# Altium PCB PCB.PcbDoc (part 1 of 2)
Units mm, origin at the board's own origin, x right, y up, seen from the top; angles counter-clockwise.
Board outline 152.4 x 101.6 mm, 2 copper layers (Top Layer, Bottom Layer); 155 components, 126 nets, 496 pads, 218 vias.
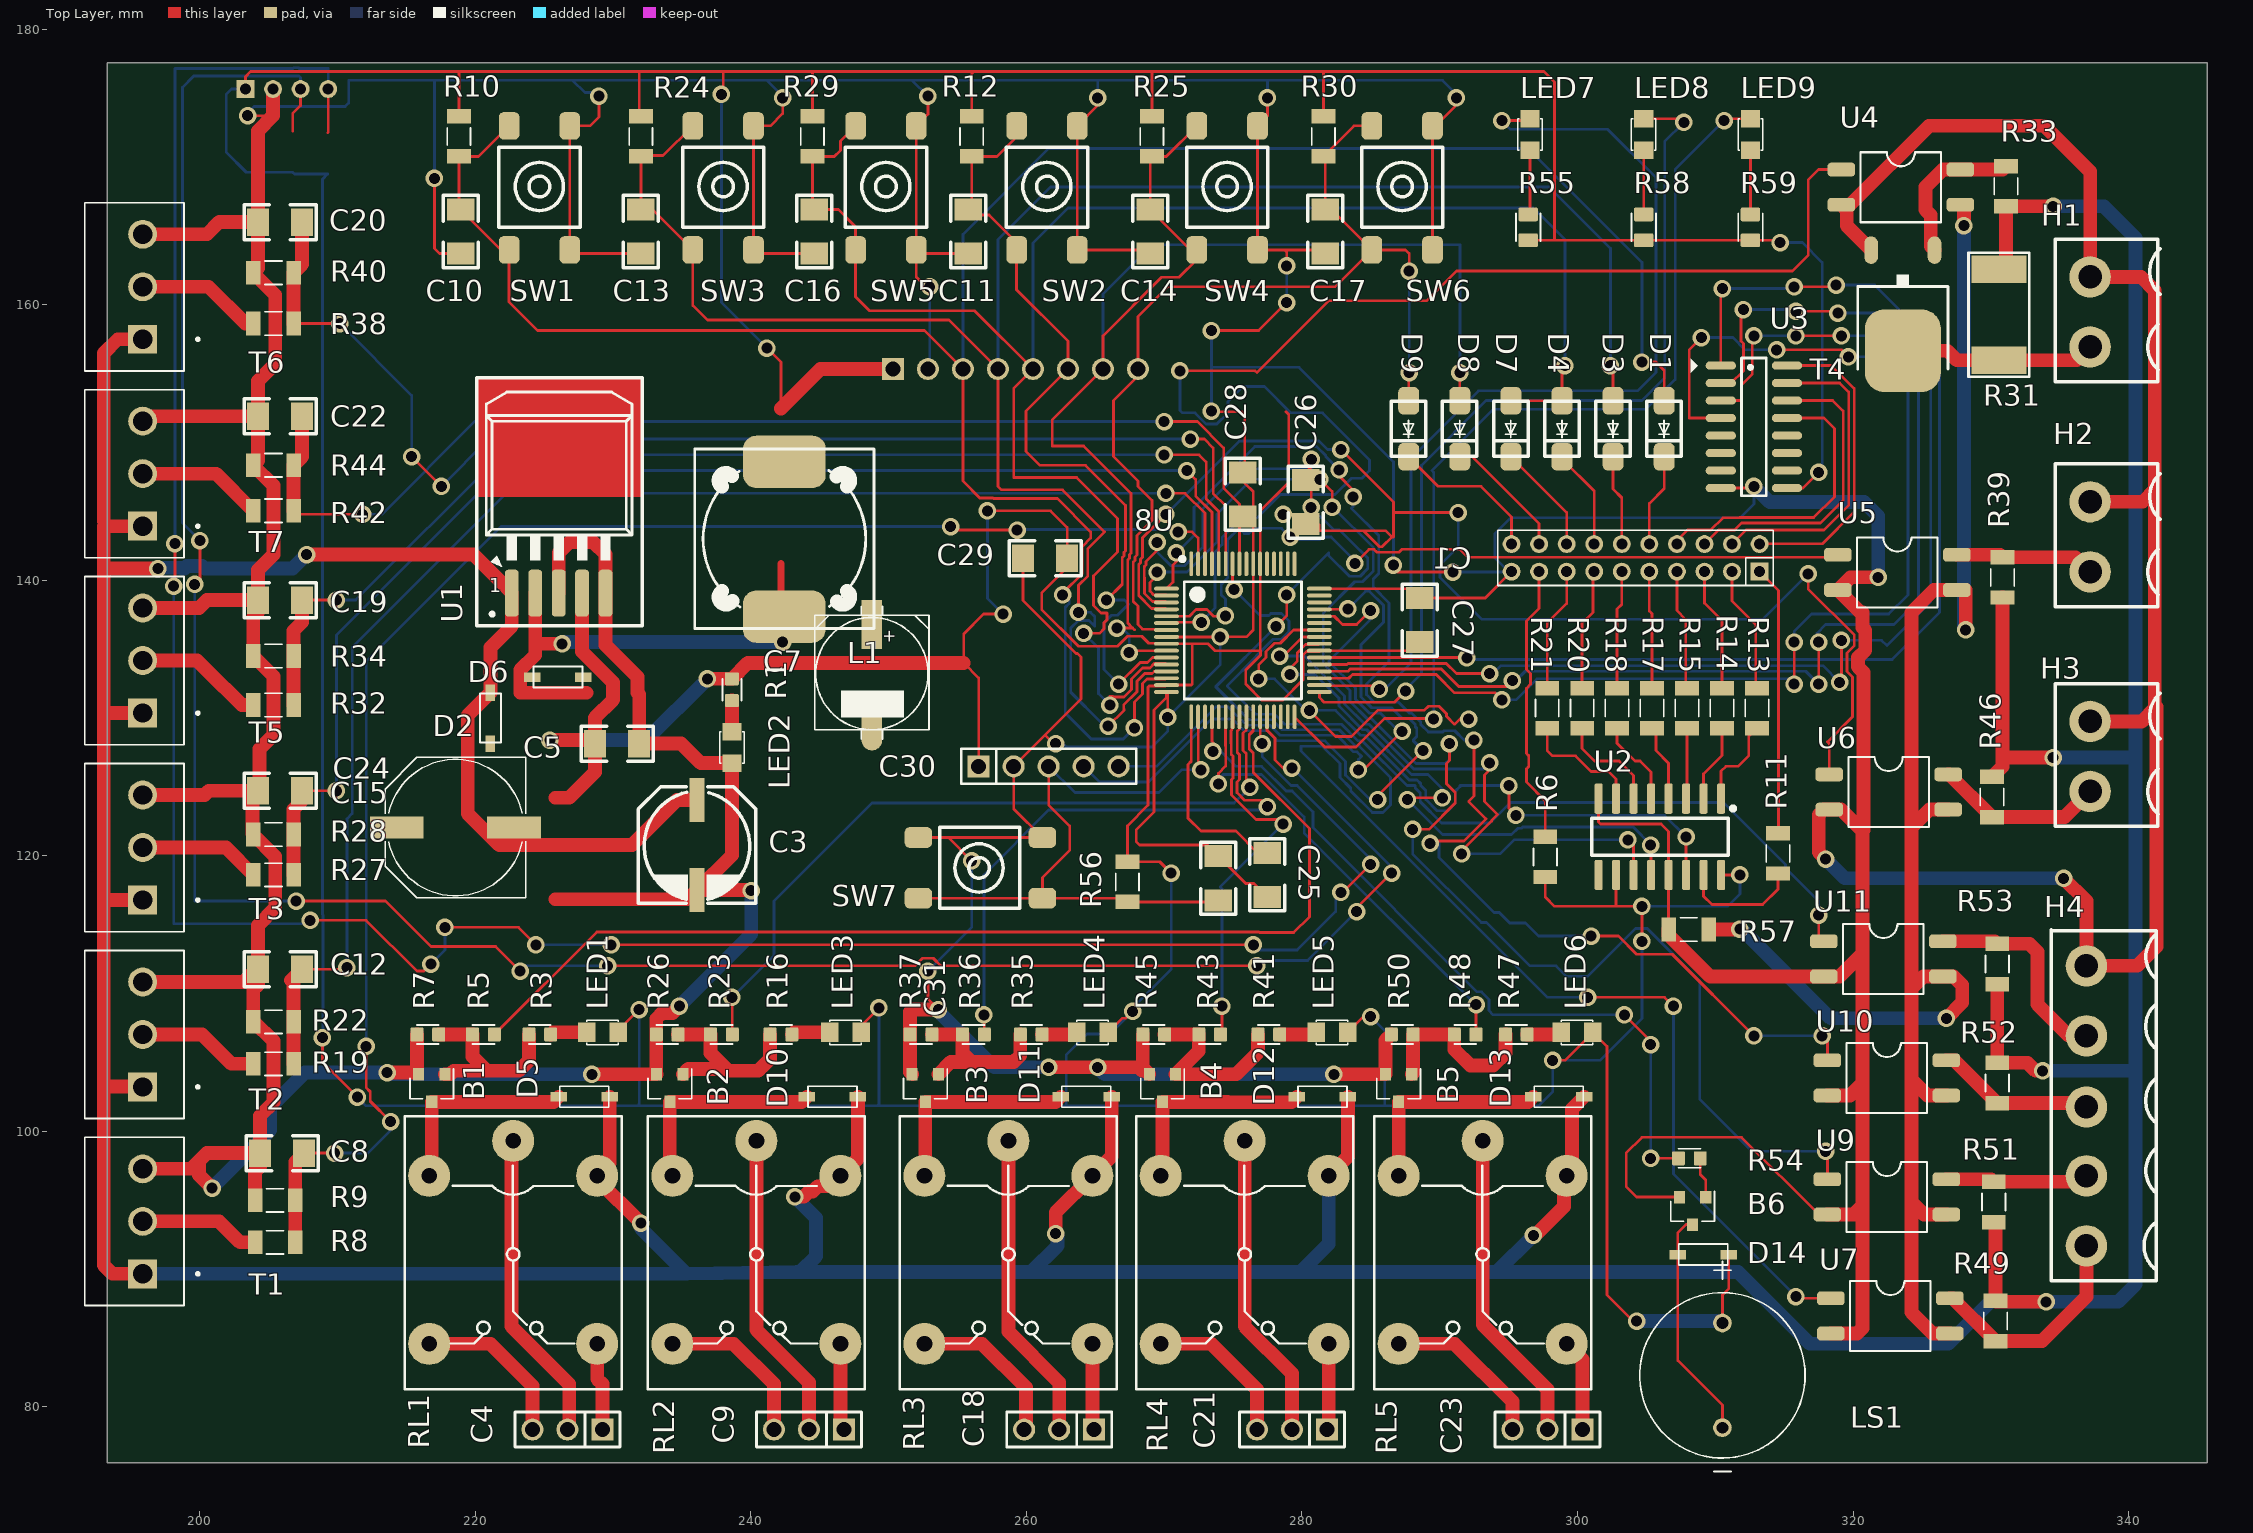
[diagram p0: Top Layer view]
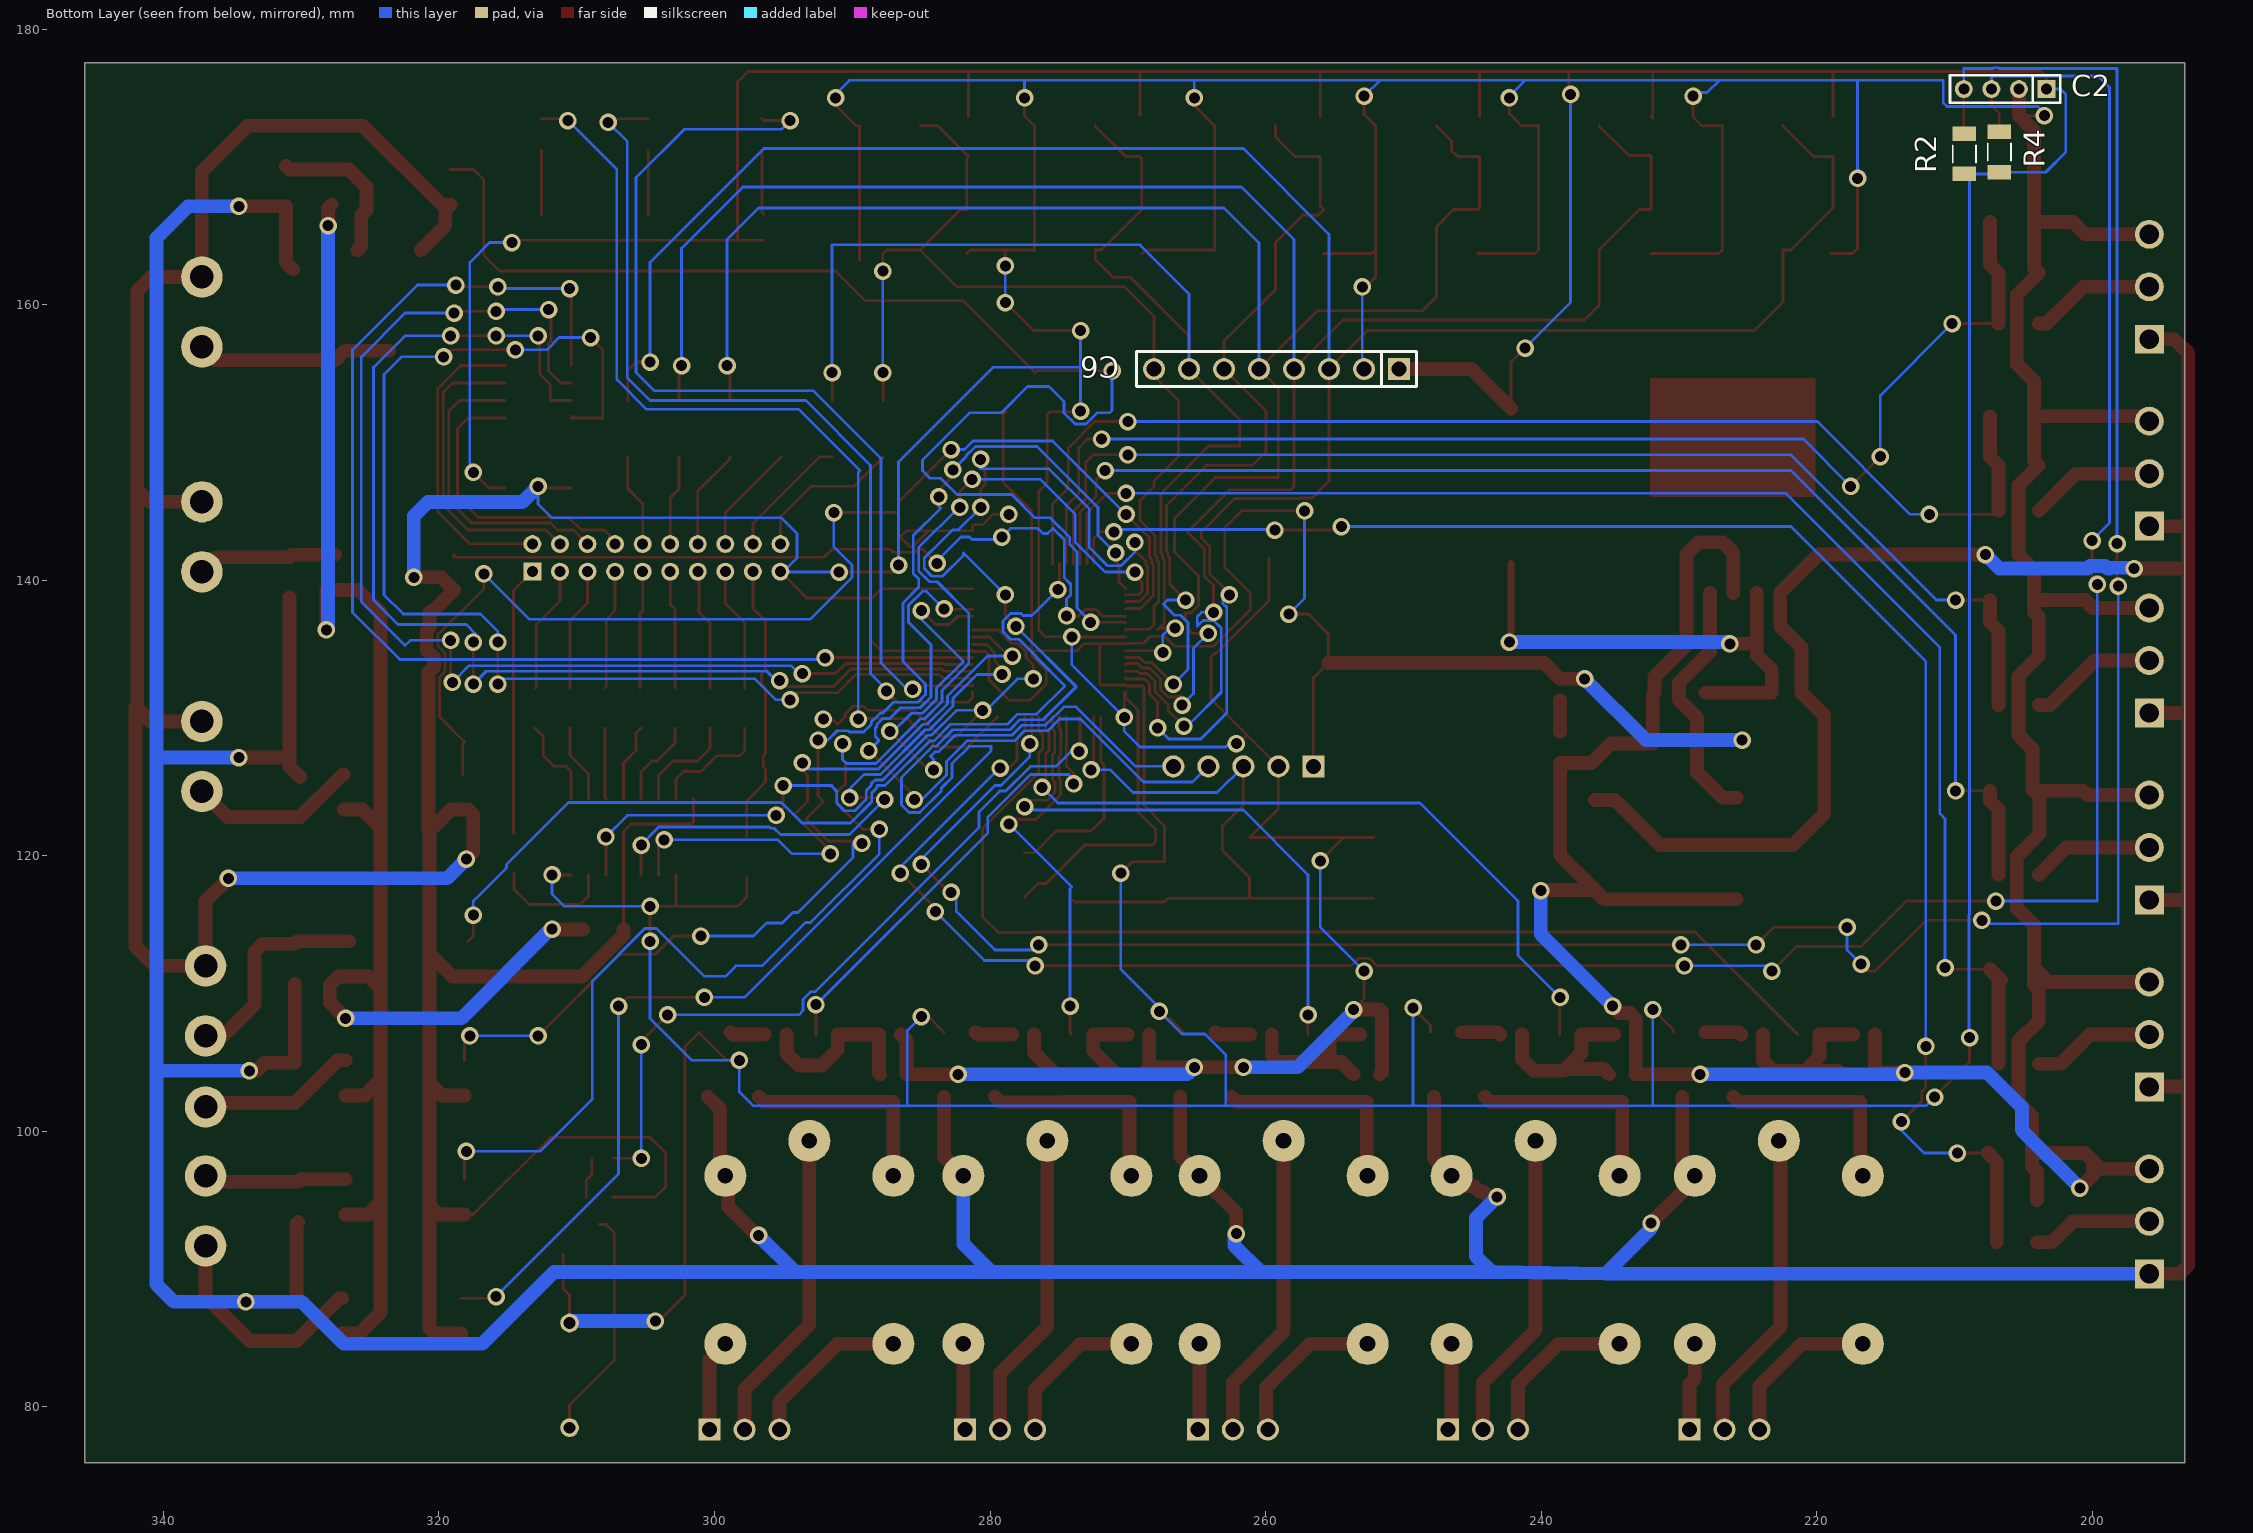
[diagram p1: Bottom Layer view, seen from below]

## Layer stack, top to bottom
Top Solder: solder mask 0.0102, Solder Resist, Dk 3.5
Top Layer: signal copper 0.0356
Dielectric 1: dielectric 0.32, FR-4, Dk 4.8
Bottom Layer: signal copper 0.0356
Bottom Solder: solder mask 0.0102, Solder Resist, Dk 3.5

## Board outline
193.294,75.946 345.694,75.946 345.694,177.546 193.294,177.546

## Design rules (kind name [scope] priority, off if disabled: settings)
Clearance [All] p1: gap=0.2
PolygonConnect [All] p1: connectstyle=Relief reliefconductorwidth=0.5 reliefentries=2 polygonreliefangle="90 Angle" airgapwidth=0.5
RoutingVias [All] p1: holewidth=0.711 width=1.27 viastyle="Through Hole" minholewidth=0.711 minwidth=1.27 maxholewidth=0.711 maxwidth=1.27
SolderMaskExpansion [All] p1: expansion=0.102
Width [All] p1: maxlimit=3 minlimit=0.2 preferedwidth=1
30 further rules are at their usual default settings.

## Classes and differential pairs
component class SCH: C10 C11 C12 C23 C24 C25 C26 C27 C28 C29 C30 C31 D9 H5 JTAG1 L1 LED1 R1 R42 R45 R47 R48 R49 R50 R51 R52 R54 R55 R56 R57 R58 R59 U10 U11 Y1

## Components (designator, comment, footprint, x,y, rotation, side; value= is the part's Value field where it differs from the comment)
B1 "NPN-SOT23" SOT-23 216.85,103.14 r180 top (schematic designator BJT1)
B2 "NPN-SOT23" SOT-23 234.127,103.14 r180 top (schematic designator BJT2)
B3 "NPN-SOT23" SOT-23 252.669,103.14 r180 top (schematic designator BJT3)
B4 "NPN-SOT23" SOT-23 269.875,103.14 r180 top (schematic designator BJT4)
B5 "NPN-SOT23" SOT-23 287.02,103.14 r180 top (schematic designator BJT5)
B6 "NPN-SOT23" SOT-23 308.356,94.234 r180 top (schematic designator BJT6)
C1 "JP10x2-2.0" J10-D2T 304.213,141.621 r180 top
C2 "JP4x1-2.0" J4-D1T 206.333,175.641 r0 bottom
C3 "35V330uF" "CAP POLY 220UF 16V" 236.093,120.777 r90 top
C4 "JP3" JP3-D1T 229.235,78.359 r180 top
C5 "Cap_SMD" CAP_SMD_1206 230.297,128.143 r180 top
C6 "JP8" JP8-D1T 250.317,155.321 r0 bottom
C7 "1000uF/16V" CAP-ALU-SMD-F 248.793,133.223 r270 top
C8 "Cap_SMD" CAP_SMD_1206 205.994,98.425 r0 top
C9 "JP3" JP3-D1T 246.761,78.359 r180 top
C10 "Cap_SMD" CAP_SMD_1206 218.948,165.308 r90 top
C11 "Cap_SMD" CAP_SMD_1206 255.778,165.308 r90 top
C12 "Cap_SMD" CAP_SMD_1206 205.841,111.76 r0 top
C13 "Cap_SMD" CAP_SMD_1206 232.029,165.308 r90 top
C14 "Cap_SMD" CAP_SMD_1206 268.986,165.308 r90 top
C15 "Cap_SMD" CAP_SMD_1206 205.841,124.714 r0 top
C16 "Cap_SMD" CAP_SMD_1206 244.602,165.308 r90 top
C17 "Cap_SMD" CAP_SMD_1206 281.686,165.308 r90 top
C18 "JP3" JP3-D1T 264.922,78.359 r180 top
C19 "Cap_SMD" CAP_SMD_1206 205.841,138.557 r0 top
C20 "Cap_SMD" CAP_SMD_1206 205.841,165.989 r0 top
C21 "JP3" JP3-D1T 281.813,78.359 r180 top
C22 "Cap_SMD" CAP_SMD_1206 205.841,151.892 r0 top
C23 "JP3" JP3-D1T 300.355,78.359 r180 top
C24 "Cap_Alu_470uF" Cap_Alu_470uF 218.567,122.047 r180 top
C25 "Cap_SMD" CAP_SMD_1206 277.495,118.618 r90 top
C26 "Cap_SMD" CAP_SMD_1206 280.289,145.669 r270 top
C27 "Cap_SMD" CAP_SMD_1206 288.544,137.104 r270 top
C28 "Cap_SMD" CAP_SMD_1206 275.717,146.223 r270 top
C29 "Cap_SMD" CAP_SMD_1206 261.366,141.605 r0 top
C30 "JP5" JP5-D1T 256.54,126.492 r0 top
C31 "Cap_SMD" CAP_SMD_1206 273.939,118.364 r270 top
D1 "1N4007" "Diode M7" 306.292,150.987 r270 top
D2 "1N4148" SOD-123 227.965,129.778 r270 top
D3 "1N4007" "Diode M7" 302.584,150.987 r270 top
D4 "1N4007" "Diode M7" 298.875,150.987 r270 top
D5 "1N4148" SOD-123 227.695,95.653 r180 top
D6 "1N4148" SOD-123 226.22,139.827 r0 top
D7 "1N4007" "Diode M7" 295.167,150.987 r270 top
D8 "1N4007" "Diode M7" 291.459,150.987 r270 top
D9 "1N4007" "Diode M7" 287.75,150.987 r270 top
D10 "1N4148" SOD-123 245.712,95.653 r180 top
D11 "1N4148" SOD-123 264.127,95.653 r180 top
D12 "1N4148" SOD-123 281.272,95.653 r180 top
D13 "1N4148" SOD-123 298.417,95.653 r180 top
D14 "1N4148" SOD-123 308.917,84.201 r180 top
H1 "Terminal2x5.08" EDG2P508 338.599,159.258 r90 top
H2 "Terminal2x5.08" EDG2P508 338.599,142.939 r90 top
H3 "Terminal2x5.08" EDG2P508 338.599,127 r90 top
H4 "Terminal5x5.08" EDG5P508 337.304,101.648 r90 top
L1 "Inductor DR127" "Inductor DR127" 242.443,143.002 r90 top
LED1 "LED" LED-0805-Blue 230.378,107.188 r180 top
LED2 "LED" LED-0805-Blue 238.633,129.013 r270 top
LED3 "LED" LED-0805-Blue 248.031,107.188 r180 top
LED4 "LED" LED-0805-Blue 265.938,107.188 r180 top
LED5 "LED" LED-0805-Blue 283.337,107.188 r180 top
LED6 "LED" LED-0805-Blue 301.117,107.188 r180 top
LED7 "LED" LED-0805-Blue 296.545,171.196 r90 top
LED8 "LED" LED-0805-Blue 304.8,171.196 r90 top
LED9 "LED" LED-0805-Blue 312.547,171.196 r90 top
LS1 "buzzer_5V" XDCR_AI-1223-TWT-12V-R 310.515,82.296 r0 top
R1 "Res_SMD" Res_SMD_0603 238.633,132.052 r90 top
R2 "Res_SMD" Res_SMD_1206 209.296,170.942 r270 bottom
R3 "Res_SMD" Res_SMD_0603 224.691,107.033 r180 top
R4 "Res_SMD" Res_SMD_1206 206.756,171.069 r270 bottom
R5 "Res_SMD" Res_SMD_0603 220.599,107.033 r0 top
R6 "Res_SMD" Res_SMD_1206 297.656,119.92 r90 top
R7 "Res_SMD" Res_SMD_0603 216.563,107.033 r180 top
R8 "Res_SMD" Res_SMD_1206 205.486,91.948 r0 top
R9 "Res_SMD" Res_SMD_1206 205.486,94.996 r180 top
R10 "Res_SMD" Res_SMD_1206 218.821,172.212 r270 top
R11 "Res_SMD" Res_SMD_1206 314.547,120.174 r90 top
R12 "Res_SMD" Res_SMD_1206 256.032,172.212 r270 top
R13 "Res_SMD" Res_SMD_1206 313.023,130.714 r90 top
R14 "Res_SMD" Res_SMD_1206 310.485,130.714 r90 top
R15 "Res_SMD" Res_SMD_1206 307.947,130.714 r90 top
R16 "Res_SMD" Res_SMD_0603 242.189,107.033 r180 top
R17 "Res_SMD" Res_SMD_1206 305.409,130.714 r90 top
R18 "Res_SMD" Res_SMD_1206 302.871,130.714 r90 top
R19 "Res_SMD" Res_SMD_1206 205.359,104.902 r0 top
R20 "Res_SMD" Res_SMD_1206 300.333,130.714 r90 top
R21 "Res_SMD" Res_SMD_1206 297.795,130.714 r90 top
R22 "Res_SMD" Res_SMD_1206 205.359,107.95 r180 top
R23 "Res_SMD" Res_SMD_0603 237.871,107.033 r0 top
R24 "Res_SMD" Res_SMD_1206 232.029,172.212 r270 top
R25 "Res_SMD" Res_SMD_1206 269.113,172.212 r270 top
R26 "Res_SMD" Res_SMD_0603 233.934,107.033 r180 top
R27 "Res_SMD" Res_SMD_1206 205.359,118.618 r0 top
R28 "Res_SMD" Res_SMD_1206 205.359,121.539 r180 top
R29 "Res_SMD" Res_SMD_1206 244.475,172.212 r270 top
R30 "Res_SMD" Res_SMD_1206 281.559,172.212 r270 top
R31 "Res_SMD" RES_SMD_2512 330.581,159.258 r270 top
R32 "Res_SMD" Res_SMD_1206 205.359,130.937 r0 top
R33 "Res_SMD" Res_SMD_1206 331.089,168.593 r270 top
R34 "Res_SMD" Res_SMD_1206 205.359,134.493 r180 top
R35 "Res_SMD" Res_SMD_0603 260.35,107.033 r180 top
R36 "Res_SMD" Res_SMD_0603 256.159,107.033 r0 top
R37 "Res_SMD" Res_SMD_0603 252.349,107.033 r180 top
R38 "Res_SMD" Res_SMD_1206 205.359,158.623 r0 top
R39 "Res_SMD" Res_SMD_1206 330.835,140.204 r270 top
R40 "Res_SMD" Res_SMD_1206 205.359,162.306 r180 top
R41 "Res_SMD" Res_SMD_0603 277.594,107.033 r180 top
R42 "Res_SMD" Res_SMD_1206 205.359,145.034 r0 top
R43 "Res_SMD" Res_SMD_0603 273.304,107.033 r0 top
R44 "Res_SMD" Res_SMD_1206 205.359,148.336 r180 top
R45 "Res_SMD" Res_SMD_0603 269.24,107.033 r180 top
R46 "Res_SMD" Res_SMD_1206 330.073,124.266 r90 top
R47 "Res_SMD" Res_SMD_0603 295.557,107.033 r180 top
R48 "Res_SMD" Res_SMD_0603 291.846,107.033 r0 top
R49 "Res_SMD" Res_SMD_1206 330.327,86.244 r90 top
R50 "Res_SMD" Res_SMD_0603 287.274,107.033 r180 top
R51 "Res_SMD" Res_SMD_1206 330.2,94.88 r270 top
R52 "Res_SMD" Res_SMD_1206 330.454,103.516 r90 top
R53 "Res_SMD" Res_SMD_1206 330.454,112.152 r270 top
R54 "Res_SMD" Res_SMD_0603 308.116,98.044 r180 top
R55 "1k" Res_SMD_0805 296.418,165.608 r270 top
R56 "Res_SMD" Res_SMD_1206 267.335,118.11 r270 top
R57 "Res_SMD" Res_SMD_1206 308.07,114.649 r180 top
R58 "1k" Res_SMD_0805 304.8,165.608 r270 top
R59 "1k" Res_SMD_0805 312.547,165.608 r270 top
RL1 "Relay 10A/24V" "RELAY 5" 222.758,91.059 r270 top
RL2 "Relay 10A/24V" "RELAY 5" 240.411,91.059 r270 top
RL3 "Relay 10A/24V" "RELAY 5" 258.699,91.059 r270 top
RL4 "Relay 10A/24V" "RELAY 5" 275.844,91.059 r270 top
RL5 "Relay 10A/24V" "RELAY 5" 293.116,91.059 r270 top
SW1 "Button6x6" Button6x6smd 224.663,168.472 r270 top
SW2 "Button6x6" Button6x6smd 261.493,168.472 r270 top
SW3 "Button6x6" Button6x6smd 237.998,168.472 r270 top
SW4 "Button6x6" Button6x6smd 274.574,168.472 r270 top
SW5 "Button6x6" Button6x6smd 249.809,168.472 r270 top
SW6 "Button6x6" Button6x6smd 287.274,168.472 r270 top
SW7 "Button6x6" Button6x6smd 256.667,119.126 r0 top
T1 "Terminal B 3P" Terminal-3p-381 195.834,93.467 r90 top
T2 "Terminal B 3P" Terminal-3p-381 195.834,107.032 r90 top
T3 "Terminal B 3P" Terminal-3p-381 195.834,120.596 r90 top
T4 "TIP41C" TO252 323.61,156.657 r180 top
T5 "Terminal B 3P" Terminal-3p-381 195.834,134.161 r90 top
T6 "Terminal B 3P" Terminal-3p-381 195.834,161.29 r90 top
T7 "Terminal B 3P" Terminal-3p-381 195.834,147.725 r90 top
U1 "LM2576" TO263 225.679,145.034 r0 top
U2 "74HC595" Sop16pin 306.165,121.38 r270 top
U3 "ULN2003A" SO-16 312.801,151.13 r0 top
U4 "PC817" PC817 323.469,168.783 r0 top
U5 "PC817" PC817 323.215,140.828 r0 top
U6 "PC817" PC817 322.58,124.89 r0 top
U7 "PC817" PC817 322.707,86.868 r0 top
U8 "CY8C4247" TQFP64 275.717,135.636 r270 top
U9 "PC817" PC817 322.453,95.504 r0 top
U10 "PC817" PC817 322.453,104.14 r0 top
U11 "PC817" PC817 322.199,112.776 r0 top

## Footprints (in the part's own frame and the unit in brackets; to place one, negate y for a bottom-side part, rotate by r counter-clockwise, add the part's x,y. Pads: shape width x height; smd on the part's side, far side on the other; paste and mask are expansions set on the pad)
Button6x6smd [mm] "key smd"
  rrect50% 2x1.5 smd: 1(4.5,-2.2) 2(-4.5,-2.2) 3(4.5,2.2) 4(-4.5,2.2)
  Top Layer pour cut-out: -6,3.5 6,3.5 6,-3.5 -6,-3.5
  silkscreen extent -2.95,-2.95 2.85,2.95, body extent -4.5,-2.95 4.5,3.05, height 4.3
"CAP POLY 220UF 16V" [mm] "CAPACITOR POLYMER 220UF 16V 8X9MM SMD"
  rect 3.2x1.1 smd: 1(3.264,-0.013) 2(-3.264,-0.013)
  silkscreen extent -4.23,-4.25 4.24,4.25, body extent -4.5,-4.15 4.5,4.15, height 10.7
CAP-ALU-SMD-F [mil]
  rect 140x59.06 smd: 1(-140,0)
  oval 140x59.06 smd: 2(150,0)
  silkscreen extent -192,-163 187,163, body extent -195,-163 195,163, height 402
Cap_Alu_470uF [mm] "470uF 16-50V"
  rect 3.9x1.6 smd: 1(4.25,0) 2(-4.25,0)
  Top Layer pour cut-out: -2.3,1 -2.3,-1 2.3,-1 2.3,1
  silkscreen extent -5.1,-5.1 5.1,5.1, body extent -5.08,-3.9 3.82,4.4, height 10.5
CAP_SMD_1206 [mm] "cap smd 1206"
  rect 1.6x2 smd: 1(-1.605,0) 2(1.595,0)
  Top Layer pour cut-out: -0.8,0.9 0.8,0.9 0.8,-0.9 -0.8,-0.9
  silkscreen extent -2.62,-1.27 2.62,1.27, body extent -1.6,-0.8 1.6,0.8, height 1.22
"Diode M7" [mil] "diode reflectifer"
  rrect50% 78.74x60 smd: 1(-80,0) 2(80,0)
  Top Layer pour cut-out: -39.37,27.56 -39.37,-27.56 39.37,-27.56 39.37,27.56
  silkscreen extent -78,-50 79,49, body extent -101,-54 104,53, height 106
EDG2P508 [mm] "edg 2 pins 5.08mm"
  round 3 hole 1.7: 1(-2.327,1.397) 2(2.753,1.397)
  silkscreen extent -4.87,-3.68 5.5,3.94, body extent -4.76,-10.6 5.4,5, height 21.08
EDG5P508 [mm] "edg 5pins 5.08mm"
  round 3 hole 1.7: 1(-9.954,0.373) 2(-4.874,0.373) 3(0.125,0.373) 4(5.286,0.373) 5(10.366,0.373)
  silkscreen extent -12.49,-4.71 13,2.91, body extent -12.4,-11.9 13,3.71, height 21.08
"Inductor DR127" [mm] "Ind 12.5x12.5 mm"
  rrect50% 3.8x6 smd: 1(-5.646,0.006) 2(5.588,0)
  Top Layer pour cut-out: -7.6,3.1 -7.6,-3.1 7.7,-3.1 7.7,2.9 7.5,3.1
  silkscreen extent -6.5,-6.5 6.53,6.5, body extent -6.25,-6.25 6.25,6.25, height 8
J4-D1T [mm] "4 pins, 1 row, straight, gold plating"
  rect 1.3x1.3 hole 0.8: 1(-3,0)
  round 1.3 hole 0.8: 2(-1,0) 3(1,0) 4(3,0)
  silkscreen extent -4,-1 4,1, body extent -4,-1 4,1, height 6.01
J10-D2T [mm] "20 pins, dual row, straight, gold plating"
  rect 1.3x1.3 hole 0.8: 1(-9,1)
  round 1.3 hole 0.8: 2(-7,1) 3(-5,1) 4(-3,1) 5(-1,1) 6(1,1) 7(3,1) 8(5,1) 9(7,1) 10(9,1) 11(9,-1) 12(7,-1) 13(5,-1) 14(3,-1) 15(1,-1) 16(-1,-1) 17(-3,-1) 18(-5,-1) 19(-7,-1) 20(-9,-1)
  silkscreen extent -10,-2 10,2, body extent -10,-2 10,2, height 6.01
JP3-D1T [mm] "3 pins, 1 row, straight, gold plating"
  rect 1.6x1.6 hole 1.1: 1(0,0)
  round 1.6 hole 1.1: 2(2.54,0) 3(5.08,0)
  silkscreen extent -1.27,-1.27 6.35,1.27, body extent -1.27,-1.27 6.35,1.27, height 8.54
JP5-D1T [mm] "5 pins, 1 row, straight, gold plating"
  rect 1.6x1.6 hole 1.1: 1(0,0)
  round 1.6 hole 1.1: 2(2.54,0) 3(5.08,0) 4(7.62,0) 5(10.16,0)
  silkscreen extent -1.27,-1.27 11.43,1.27, body extent -1.27,-1.27 11.43,1.27, height 8.54
JP8-D1T [mm] "8 pins, 1 row, straight, gold plating"
  rect 1.6x1.6 hole 1.1: 1(0,0)
  round 1.6 hole 1.1: 2(2.54,0) 3(5.08,0) 4(7.62,0) 5(10.16,0) 6(12.7,0) 7(15.24,0) 8(17.78,0)
  silkscreen extent -1.27,-1.27 19.05,1.27, body extent -1.27,-1.27 19.05,1.27, height 8.54
LED-0805-Blue [mil]
  rect 50x55 smd: 1(0,0) 2(90,0)
  silkscreen extent 0,-35 90,35, body extent 5,-25 85,25, height 43
PC817 [mm] "IC OPTO isolation"
  rrect50% 2x1 smd: 1(-4.318,1.016) 2(-4.318,-1.537) 3(4.318,-1.537) 4(4.318,1.016)
  Top Layer pour cut-out: -5.4,1.6 5.4,1.6 5.4,-2.1 -5.4,-2.1
  silkscreen extent -2.92,-2.81 2.92,2.27, body extent -5,-2.54 5,2.04, height 3.85
"RELAY 5" [mil] "Reley DPDT, 8 pin, 1A, W400mil, L800mil,H 300mil"
  round 120 hole 45: 1(-325,0) 2(255,240) 3(255,-240) 4(-225,-240) 5(-225,240)
  silkscreen extent -395,-310 385,310, body extent -371,-304 381,306, height 602
Res_SMD_0603 [mm] "res smd 0603"
  rrect20% 0.94x1.02 smd: 1(-0.79,0) 2(0.79,0)
  Top Layer pour cut-out: -0.4,0.5 0.4,0.5 0.4,-0.5 -0.4,-0.5
  silkscreen extent -0.8,-0.69 0.8,0.69, body extent -0.8,-0.4 0.8,0.4, height 0.45
Res_SMD_0805 [mm] "res smd 0805"
  rrect25% 1x1.42 smd: 1(-0.935,0) 2(0.935,0)
  Top Layer pour cut-out: -0.4,0.7 0.4,0.7 0.4,-0.7 -0.4,-0.7
  silkscreen extent -1,-0.89 1,0.89, body extent -1,-0.62 1,0.63, height 0.6
Res_SMD_1206 [mm] "res smd 1206"
  rect 1.05x1.72 smd: 1(-1.46,0) 2(1.46,0)
  Top Layer pour cut-out: -0.9,0.8 0.9,0.8 0.9,-0.8 -0.9,-0.8
  silkscreen extent -0.62,-0.85 0.62,0.85, body extent -1.6,-0.8 1.6,0.8, height 0.6
RES_SMD_2512 [mm] "Resistor 2512 SMD"
  rect 2x4 smd: 1(-3.302,0) 2(3.302,0)
  silkscreen extent -4.5,-2.2 4.5,2.2, body extent -3.17,-1.6 3.18,1.6, height 0.55
SO-16 [mm] "SOIC, 16-Leads, Body 9.9x3.9mm, Pitch 1.27mm, IPC Medium Density"
  oval 2.2x0.6 smd: 1(-2.4,4.445) 2(-2.4,3.175) 3(-2.4,1.905) 4(-2.4,0.635) 5(-2.4,-0.635) 6(-2.4,-1.905) 7(-2.4,-3.175) 8(-2.4,-4.445) 9(2.4,-4.445) 10(2.4,-3.175) 11(2.4,-1.905) 12(2.4,-0.635) 13(2.4,0.635) 14(2.4,1.905) 15(2.4,3.175) 16(2.4,4.445)
  silkscreen extent -4.57,-5 0.9,5
SOD-123 [mil]
  rect 47.24x27.56 smd: 1(64.37,-270) 2(-81.3,-270)
  silkscreen extent -78,-300 62,-240, body extent -84,-303 68,-236, height 54
Sop16pin [mm] "sop16pins smd"
  rrect50% 2.198x0.6 smd: 1(-2.769,4.255) 2(-2.769,2.985) 3(-2.769,1.715) 4(-2.769,0.445) 5(-2.769,-0.825) 6(-2.769,-2.095) 7(-2.769,-3.365) 8(-2.769,-4.635) 9(2.769,-4.635) 10(2.769,-3.365) 11(2.769,-2.095) 12(2.769,-0.825) 13(2.769,0.445) 14(2.769,1.715) 15(2.769,2.985) 16(2.769,4.255)
  Top Layer pour cut-out: -3.9,4.6 3.9,4.6 3.9,-5 -3.9,-5
  silkscreen extent -2.2,-5.14 1.35,5.27, body extent -2.99,-5.15 2.99,4.75, height 1.35
SOT-23 [mm] "BIJ-SOT23"
  rect 0.8x0.9 smd: 1(-0.95,-1) 2(0.95,-1) 3(0,1)
  Top Layer pour cut-out: -1.3,1.4 -1.3,-1.3 1.3,-1.3 1.3,1.4
  silkscreen extent -1.58,-1.4 1.58,0.76, body extent -1.51,-1.17 1.49,1.33, height 1.05
Terminal-3p-381 [mm] "terminal 3 pins 3.81"
  rect 2.1x2.1 hole 1.4: 1(-3.805,-0.04)
  round 2.1 hole 1.4: 2(0.005,-0.04) 3(3.815,-0.04)
  silkscreen extent -6.1,-4.14 6.1,4.16, body extent -6.16,-6.62 6.1,4.41, height 18.35
TO252 [mm] "PIN TO252"
  oval 1x2 smd: 1(-2.3,-7.3) 3(2.3,-7.3)
  rrect50% 5.5x6 smd: 2(0,0)
  Top Layer pour cut-out: -2.7,-0.7 -2.7,-8.1 2.7,-8.1 2.7,-0.7
  silkscreen extent -3.28,-5.52 3.28,1.34, body extent -3.27,-7.45 3.27,2.46, height 2.55
TO263 [mm]
  rrect50% 1x3.4 smd: 1(-3.019,-5.969) 2(-1.319,-5.969) 4(2.081,-5.969) 5(3.781,-5.969)
  rrect50% 1x3.4 smd mask+0: 3(0.381,-5.969)
  Top Layer region: -5.568,1.016 6.432,1.016 6.432,9.65 -5.568,9.65
  silkscreen extent -5.57,-8.35 6.43,9.65, body extent -4.73,-6.84 5.43,7.8, height 4.57
TQFP64 [mm] "TQFP 64 pins"
  oval 1.796x0.28 smd: 1(-5.55,-3.75) 2(-5.55,-3.25) 3(-5.55,-2.75) 4(-5.55,-2.25) 5(-5.55,-1.75) 6(-5.55,-1.25) 7(-5.55,-0.75) 8(-5.55,-0.25) 9(-5.55,0.25) 10(-5.55,0.75) 11(-5.55,1.25) 12(-5.55,1.75) 13(-5.55,2.25) 14(-5.55,2.75) 15(-5.55,3.25) 16(-5.55,3.75) 33(5.55,3.75) 34(5.55,3.25) 35(5.55,2.75) 36(5.55,2.25) 37(5.55,1.75) 38(5.55,1.25) 39(5.55,0.75) 40(5.55,0.25) 41(5.55,-0.25) 42(5.55,-0.75) 43(5.55,-1.25) 44(5.55,-1.75) 45(5.55,-2.25) 46(5.55,-2.75) 47(5.55,-3.25) 48(5.55,-3.75)
  oval 0.28x1.796 smd: 17(-3.75,5.55) 18(-3.25,5.55) 19(-2.75,5.55) 20(-2.25,5.55) 21(-1.75,5.55) 22(-1.25,5.55) 23(-0.75,5.55) 24(-0.25,5.55) 25(0.25,5.55) 26(0.75,5.55) 27(1.25,5.55) 28(1.75,5.55) 29(2.25,5.55) 30(2.75,5.55) 31(3.25,5.55) 32(3.75,5.55) 49(3.75,-5.55) 50(3.25,-5.55) 51(2.75,-5.55) 52(2.25,-5.55) 53(1.75,-5.55) 54(1.25,-5.55) 55(0.75,-5.55) 56(0.25,-5.55) 57(-0.25,-5.55) 58(-0.75,-5.55) 59(-1.25,-5.55) 60(-1.75,-5.55) 61(-2.25,-5.55) 62(-2.75,-5.55) 63(-3.25,-5.55) 64(-3.75,-5.55)
  Top Layer pour cut-out: -6.5,-4 -4.6,-4 -4.6,4 -6.5,4
  Top Layer pour cut-out: -4,-6.5 4,-6.5 4,-4.6 -4,-4.6
  Top Layer pour cut-out: 4.6,-4 6.5,-4 6.5,4 4.6,4
  Top Layer pour cut-out: 4,4.6 4,6.5 -4,6.5 -4,4.6
  silkscreen extent -6.05,-4.55 4.25,4.25, body extent -6,-6 6,6, height 1.68
XDCR_AI-1223-TWT-12V-R [mm]
  round 1.358 hole 0.85: N(0,-3.8) P(0,3.8)
  silkscreen extent -6,-6.98 6,8.25, body extent -6,-15.5 7.44,0.05, height 6

## Part data
B1 B2 B3 B4 B5 B6: "TRansistor NPN sot23"
C1: "WR-PHD 2.00 mm Dual Pin Header"
C2: "WR-PHD 2.00 mm Socket Header"
C3: library part "Cap Pol1", "Polarized Capacitor (Radial)"
C4 C6 C9 C18 C21 C23 C30: "WR-PHD 2.54 mm Angled Socket Header"
C5 C8 C10 C11 C12 C13 C14 C15 C16 C17 C19 C20 C22 C25 C26 C27 C28 C29 C31: "Cap SMD multiple types as 0402 0603 0805 1206"
C7: library part CP4, "Cap 1000uF/16V - 220uF/50V"
C24: "Cap aluminum 470uF"
D1 D3 D4 D7 D8 D9: "diode SMD M7"
D2 D5 D6 D10 D11 D12 D13 D14: "Diode Fast Switching"
H1 H2 H3: "terminal 5.08mm x2 pins"
H4: "terminal edg 5.08mm 5 pins"
L1: "Inductor SMD DR127 - 12.5mm"
LED1 LED2 LED3 LED4 LED5 LED6 LED7 LED8 LED9: library part "LED SMD"
LS1: library part AI-1223-TWT-12V-R, "ELECTRO-MECHANICAL AUDIO INDICATOR"
R1 R2 R3 R4 R5 R6 R7 R8 R9 R10 R11 R12 R13 R14 R15 R16 R17 R18 R19 R20 R21 R22 R23 R24 R25 R26 R27 R28 R29 R30 R31 R32 R33 R34 R35 R36 R37 R38 R39 R40 R41 R42 R43 R44 R45 R46 R47 R48 R49 R50 R51 R52 R53 R54 R56 R57: "res smd"
R55 R58 R59: library part "Tro 0805 1% 10k", "Dán"
RL1 RL2 RL3 RL4 RL5: library part "Relay 5", "Relay SPDT,10A - 12VDC 5 Pin"
SW1 SW2 SW3 SW4 SW5 SW6 SW7: "button 6x6 mm"
T1 T2 T3 T5 T6 T7: "Terminal Block 3 pins"
T4: "Transistor NPN"
U2: library part 74595, "8 Bit Serial input - Parallel Output"
U3: "High-Voltage, High-Current Darlington Array"
U4 U5 U6 U7 U9 U10 U11: "IC opto"
U8: "Psoc Cy8c4247 64 pins"

## Via types
v1: diameter 1.27, hole 0.8, Top Layer to Bottom Layer, 218 vias

## Nets (pads, with @x,y where several pads share a name; then routed paths per layer and width w, separated by ;. In a path a pad name is that pad's centre, name@x,y a point inside that pad or via, vN(x,y) a via of type N, cw(c..) or ccw(c..) an arc to the next point about the centre after c; other vN are vias at no path point)
24V: 
+5_BUT: 
ANA_IN_1: 
ANA_IN_2: 
ANA_IN_3: 
ANA_IN_4: 
ANA_IN_5: 
ANA_IN_6: 
ANALOG_1: 
ANALOG_2: 
ANALOG_3: 
ANALOG_4: 
ANALOG_5: 
ANALOG_6: 
BUT_DOWN: 
BUT_IN_1: 
BUT_IN_2: 
BUT_IN_3: 
BUT_IN_4: 
BUT_IN_5: 
BUT_IN_6: 
BUT_SET_1: 
BUT_SET_2: 
BUT_TURN_OFF: 
BUT_TURN_ON: 
BUT_UP: 
BUZZER: 
DEBUG_UART_RX: 
DEBUG_UART_TX: 
ENCODER_A: 
ENCODER_B: 
GND: 
GND_24: 
KDT_OUT: 
LED_1: 
LED_2: 
LED_3: 
LED_7_1: 
LED_7_2: 
LED_7_3: 
LED_7_4: 
LED_7_5: 
LED_7_6: 
LED_7_7: 
LED_7_8: 
LED_LATCH: 
LED_SCK: 
LED_SDA: 
LED_SEG_1: 
LED_SEG_2: 
LED_SEG_3: 
LED_SEG_4: 
NetBJT1_1: 
NetBJT1_3: 
NetBJT2_1: 
NetBJT2_3: 
NetBJT3_1: 
NetBJT3_3: 
NetBJT4_1: 
NetBJT4_3: 
NetBJT5_1: 
NetBJT5_3: 
NetBJT6_1: 
NetBJT6_3: 
NetC4_1: 
NetC4_2: 
NetC4_3: 
NetC9_1: 
NetC9_2: 
NetC9_3: 
NetC18_1: 
NetC18_2: 
NetC18_3: 
NetC21_1: 
NetC21_2: 
NetC21_3: 
NetC23_1: 
NetC23_2: 
NetC23_3: 
NetD6_2: 
NetLED1_2: 
NetLED2_1: 
NetLED3_2: 
NetLED4_2: 
NetLED5_2: 
NetLED6_2: 
NetLED7_1: 
NetLED8_1: 
NetLED9_1: 
NetR11_1: 
NetR13_1: 
NetR14_1: 
NetR15_1: 
NetR17_1: 
NetR18_1: 
NetR20_1: 
NetR21_1: 
OUT_1: 
OUT_2: 
OUT_3: 
OUT_4: 
OUT_5: 
OUT_6: 
OUT_7: 
OUT_LED_1: 
OUT_LED_2: 
OUT_LED_3: 
OUT_LED_4: 
OUT_M_1: 
OUT_M_2: 
OUT_M_3: 
OUT_M_4: 
OUT_M_5: 
OUT_M_6: 
OUT_M_7: 
OUT_ROLE_1: 
OUT_ROLE_2: 
OUT_ROLE_3: 
OUT_ROLE_4: 
OUT_ROLE_5: 
POWER_IN: 
SWCLK: 
SWDIO: 
VCCD: 
VDDA: 
XRES: 
pads on no net: B1.1 B1.2 B1.3 B2.1 B2.2 B2.3 B3.1 B3.2 B3.3 B4.1 B4.2 B4.3 B5.1 B5.2 B5.3 B6.1 B6.2 B6.3 C1.1 C1.2 C1.3 C1.4 C1.5 C1.6 C1.7 C1.8 C1.9 C1.10 C1.11 C1.12 C1.13 C1.14 C1.15 C1.16 C1.17 C1.18 C1.19 C1.20 C2.1 C2.2 C2.3 C2.4 C3.1 C3.2 C4.1 C4.2 C4.3 C5.1 C5.2 C6.1 C6.2 C6.3 C6.4 C6.5 C6.6 C6.7 C6.8 C7.1 C7.2 C8.1 C8.2 C9.1 C9.2 C9.3 C10.1 C10.2 C11.1 C11.2 C12.1 C12.2 C13.1 C13.2 C14.1 C14.2 C15.1 C15.2 C16.1 C16.2 C17.1 C17.2 C18.1 C18.2 C18.3 C19.1 C19.2 C20.1 C20.2 C21.1 C21.2 C21.3 C22.1 C22.2 C23.1 C23.2 C23.3 C24.1 C24.2 C25.1 C25.2 C26.1 C26.2 C27.1 C27.2 C28.1 C28.2 C29.1 C29.2 C30.1 C30.2 C30.3 C30.4 C30.5 C31.1 C31.2 D1.1 D1.2 D2.1 D2.2 D3.1 D3.2 D4.1 D4.2 D5.1 D5.2 D6.1 D6.2 D7.1 D7.2 D8.1 D8.2 D9.1 D9.2 D10.1 D10.2 D11.1 D11.2 D12.1 D12.2 D13.1 D13.2 D14.1 D14.2 H1.1 H1.2 H2.1 H2.2 H3.1 H3.2 H4.1 H4.2 H4.3 H4.4 H4.5 L1.1 L1.2 LED1.1 LED1.2 LED2.1 LED2.2 LED3.1 LED3.2 LED4.1 LED4.2 LED5.1 LED5.2 LED6.1 LED6.2 LED7.1 LED7.2 LED8.1 LED8.2 LED9.1 LED9.2 LS1.N LS1.P R1.1 R1.2 R2.1 R2.2 R3.1 R3.2 R4.1 R4.2 R5.1 R5.2 R6.1 R6.2 R7.1 R7.2 R8.1 R8.2 R9.1 R9.2 R10.1 R10.2 R11.1 R11.2 R12.1 R12.2 R13.1 R13.2 R14.1 R14.2 R15.1 R15.2 R16.1 R16.2 R17.1 R17.2 R18.1 R18.2 R19.1 R19.2 R20.1 R20.2 R21.1 R21.2 R22.1 R22.2 R23.1 R23.2 R24.1 R24.2 R25.1 R25.2 R26.1 R26.2 R27.1 R27.2 R28.1 R28.2 R29.1 R29.2 R30.1 R30.2 R31.1 R31.2 R32.1 R32.2 R33.1 R33.2 R34.1 R34.2 R35.1 R35.2 R36.1 R36.2 R37.1 R37.2 R38.1 R38.2 R39.1 R39.2 R40.1 R40.2 R41.1 R41.2 R42.1 R42.2 R43.1 R43.2 R44.1 R44.2 R45.1 R45.2 R46.1 R46.2 R47.1 R47.2 R48.1 R48.2 R49.1 R49.2 R50.1 R50.2 R51.1 R51.2 R52.1 R52.2 R53.1 R53.2 R54.1 R54.2 R55.1 R55.2 R56.1 R56.2 R57.1 R57.2 R58.1 R58.2 R59.1 R59.2 RL1.1 RL1.2 RL1.3 RL1.4 RL1.5 RL2.1 RL2.2 RL2.3 RL2.4 RL2.5 RL3.1 RL3.2 RL3.3 RL3.4 RL3.5 RL4.1 RL4.2 RL4.3 RL4.4 RL4.5 RL5.1 RL5.2 RL5.3 RL5.4 RL5.5 SW1.1 SW1.2 SW1.3 SW1.4 SW2.1 SW2.2 SW2.3 SW2.4 SW3.1 SW3.2 SW3.3 SW3.4 SW4.1 SW4.2 SW4.3 SW4.4 SW5.1 SW5.2 SW5.3 SW5.4 SW6.1 SW6.2 SW6.3 SW6.4 SW7.1 SW7.2 SW7.3 SW7.4 T1.1 T1.2 T1.3 T2.1 T2.2 T2.3 T3.1 T3.2 T3.3 T4.1 T4.2 T4.3 T5.1 T5.2 T5.3 T6.1 T6.2 T6.3 T7.1 T7.2 T7.3 U1.1 U1.2 U1.3 U1.4 U1.5 U2.1 U2.2 U2.3 U2.4 U2.5 U2.6 U2.7 U2.8 U2.9 U2.10 U2.11 U2.12 U2.13 U2.14 U2.15 U2.16 U3.1 U3.2 U3.3 U3.4 U3.5 U3.6 U3.7 U3.8 U3.9 U3.10 U3.11 U3.12 U3.13 U3.14 U3.15 U3.16 U4.1 U4.2 U4.3 U4.4 U5.1 U5.2 U5.3 U5.4 U6.1 U6.2 U6.3 U6.4 U7.1 U7.2 U7.3 U7.4 U8.1 U8.2 U8.3 U8.4 U8.5 U8.6 U8.7 U8.8 U8.9 U8.10 U8.11 U8.12 U8.13 U8.14 U8.15 U8.16 U8.17 U8.18 U8.19 U8.20 U8.21 U8.22 U8.23 U8.24 U8.25 U8.26 U8.27 U8.28 U8.29 U8.30 U8.31 U8.32 U8.33 U8.34 U8.35 U8.36 U8.37 U8.38 U8.39 U8.40 U8.41 U8.42 U8.43 U8.44 U8.45 U8.46 U8.47 U8.48 U8.49 U8.50 U8.51 U8.52 U8.53 U8.54 U8.55 U8.56 U8.57 U8.58 U8.59 U8.60 U8.61 U8.62 U8.63 U8.64 U9.1 U9.2 U9.3 U9.4 U10.1 U10.2 U10.3 U10.4 U11.1 U11.2 U11.3 U11.4